# Altium PCB ETRX_Shield_II.PcbDoc (part 2 of 2)
Units mm, origin at the board's own origin, x right, y up, seen from the top; angles counter-clockwise.
Board outline 75 x 55 mm, 4 copper layers (Top Layer, GND, PWR, Bottom Layer), stack 1.54 mm thick; 131 components, 123 nets, 497 pads, 270 vias.
Unrouted connection lines stored in the file: 1.
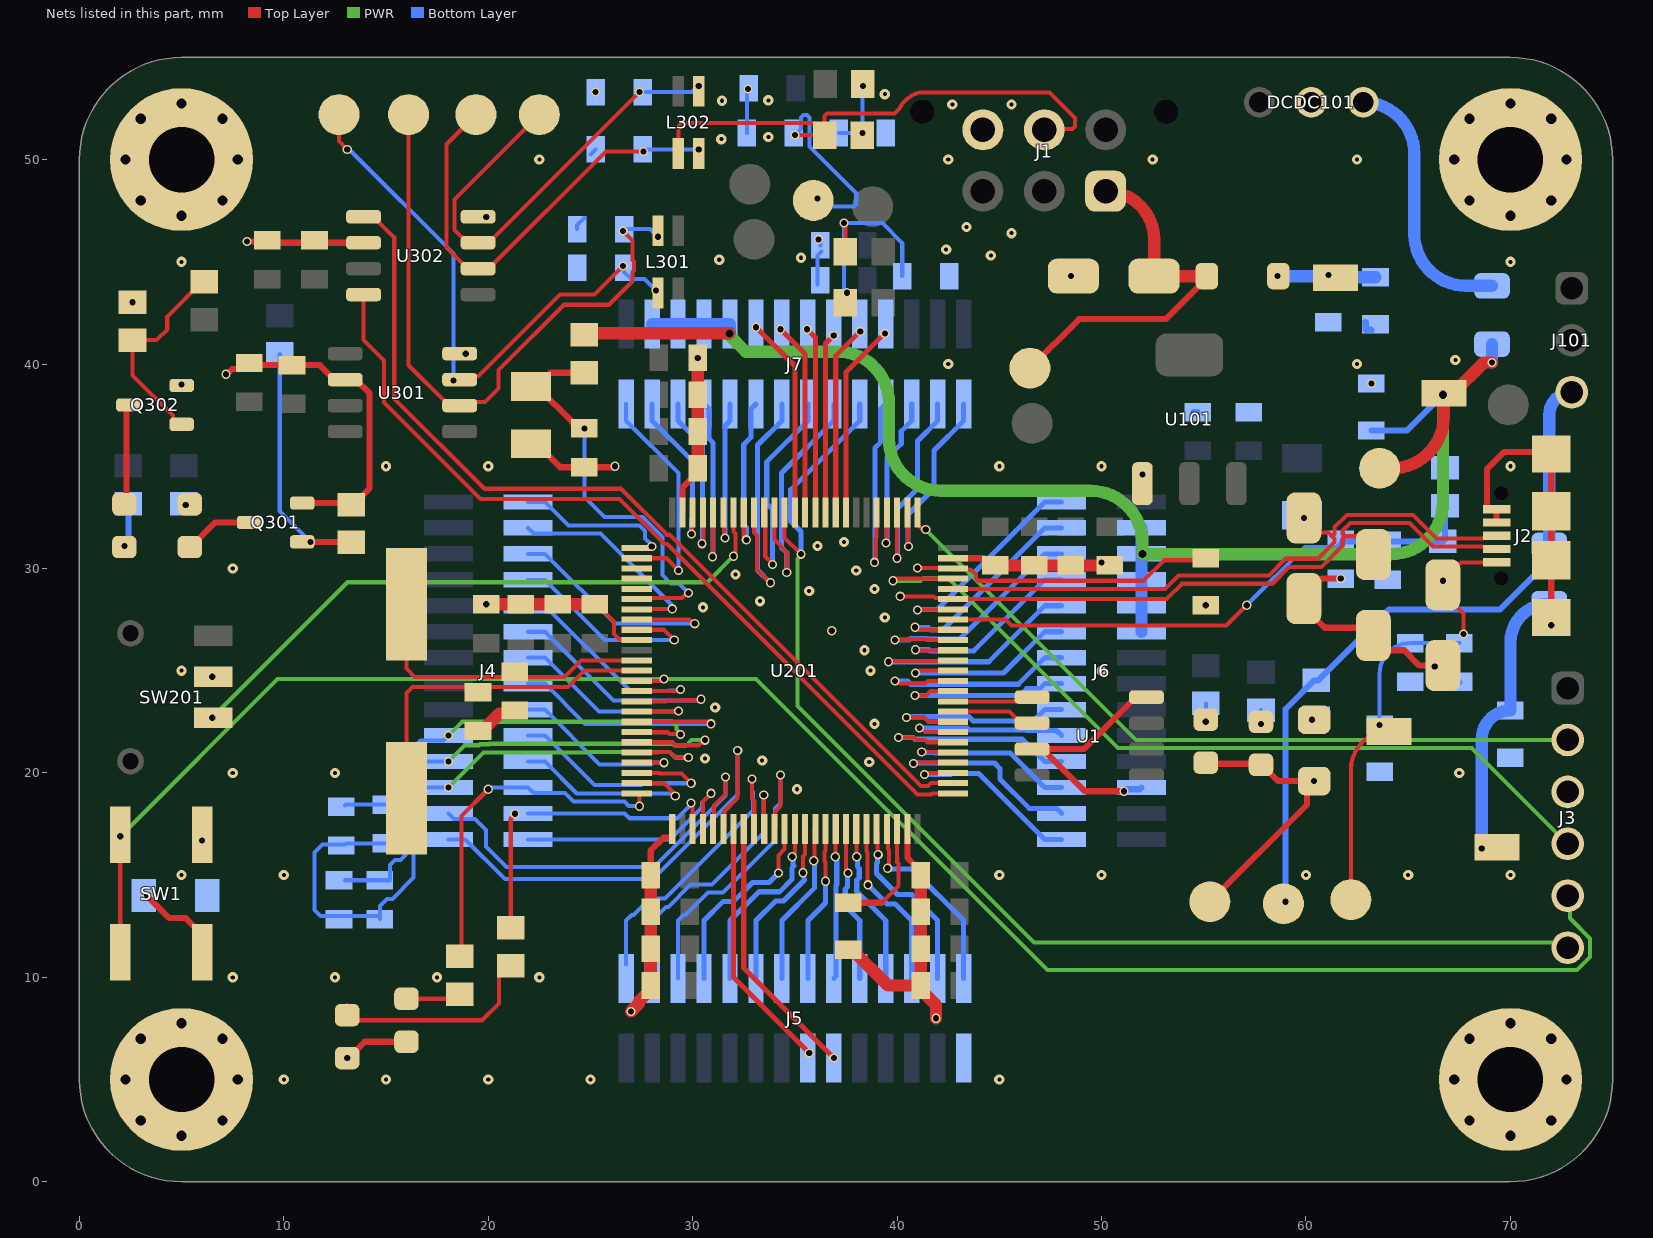
[diagram p4: the nets of this part, all layers, seen from the top]

## Via types
v1: diameter 0.45, hole 0.3, Top Layer to Bottom Layer, 167 vias
v2: diameter 0.5, hole 0.2, Top Layer to Bottom Layer, 66 vias
v3: diameter 0.5, hole 0.5, Top Layer to Bottom Layer, 32 vias
v4: diameter 0.4, hole 0.4, Top Layer to Bottom Layer, 4 vias
v5: diameter 0.3, hole 0.3, Top Layer to Bottom Layer, 1 vias

## Nets (pads, with @x,y where several pads share a name; then routed paths per layer and width w, separated by ;. In a path a pad name is that pad's centre, name@x,y a point inside that pad or via, vN(x,y) a via of type N, cw(c..) or ccw(c..) an arc to the next point about the centre after c; other vN are vias at no path point) (continued)
CAN2_L: C309.1 J1.5 L302.3 R304.2 TP308.1 | length 34.6
  Top Layer w0.2: L302.3@29.3,50.65 29.3,51.65 29.45,51.8 35.858,51.8 35.883,51.775 35.975,51.775 R304.2@36.45,51.3 ; v1(35,51.2) R304.2@36.45,51.2 R304.2@36.45,51.3 ; J1.5@47.4,51.5 48.583,51.5 48.7,51.617 48.7,52.038 47.449,53.289 41.085,53.289 ccw(c41.544,51.726) 40.392,52.878 ccw(c41.436,51.833) 40.113,52.489 39.874,52.25 36.567,52.25 36.45,52.133 R304.2@36.45,51.3
  Bottom Layer w0.2: v1(35,51.2) 35.3,51.5 35.3,52.062 35.417,52.179 35.595,52.179 35.712,52.062 35.712,50.648 38,48.36 38,47.817 37.882,47.7 36.5,47.7 v1(36.1,48.1)
CAN2_RX: U201.51 U302.4 | length 41.5
  Top Layer w0.2: U302.4@13.9,43.395 13.9,41.18 14.9,40.18 14.9,38.113 19.613,33.4 26.418,33.4 28.618,31.2 28.757,31.2 41.007,18.95 41.667,18.95 41.717,19 U201.51@42.738,19
CAN2_TX: U201.52 U302.1 | length 45.1
  Top Layer w0.2: U302.1@14.592,47.008 15.4,46.2 15.4,38.32 19.82,33.9 26.483,33.9 28.733,31.651 28.872,31.651 41.172,19.35 41.501,19.35 41.651,19.5 U201.52@42.738,19.5
  Top Layer w0.3: U302.1@13.9,47.205 14.418,47.205 14.592,47.031 U302.1@14.592,47.008
GND: C1.2 C2.1 C101.2 C102.2 C103.2 C104.2 C105.1 C106.2 C107.2 C108.2 C109.2 C201.2 C202.2 C203.1 C204.1 C205.2 C206.2 C207.2 C208.2 C209.2 C210.2 C211.2 C212.2 C213.2 C214.2 C215.2 C216.2 C217.2 C218.2 C219.2 C220.2 C221.2 C222.2 C223.2 C224.2 C231.2 C232.2 C301.2 C302.1 C303.2 C304.2 C305.1 C306.2 C307.1 C308.2 C309.2 C310.1 C311.2 C312.2 C313.2 C314.2 D101.1 D103.K D104.K D105.K D106.2 D201.2 D202.2 D205.K D206.K DCDC101.2 J1.6 J2.4 J2.5 J2.Shell J3.3 J5.28 J6.23 MH1.1 MH2.1 MH3.1 MH4.1 Q301.E Q302.E R2.2 R202.2 R307.2 R310.2 SW1.B2 SW201.L2 TP105.1 U1.4 U1.7 U101.1 U201.10 U201.26 U201.49 U201.74 U201.99 U301.2 U301.8 U302.2 U302.8 | length 140.3
  Top Layer w0.2: C224.2@25.2,28.25 25.4,28.25 25.75,27.9 25.75,27.793 26.15,27.393 26.15,26.8 26.4,26.55 27.212,26.55 U201.10@27.262,26.5
  Top Layer w0.3: Q302.E@5,38.95 v1(5,39) ; v1(6,16.7) SW1.B2@6,16.975 ; v1(6.5,24.7) SW201.L2@6.55,24.7 ; v1(7.175,39.5) 7.216,39.5 7.466,39.75 8.2,39.75 8.4,39.95 C314.2@10.4,39.95 11.76,39.95 12.475,39.235 U301.2@13,39.235 13.525,39.235 14.2,38.56 14.2,33.925 13.475,33.2 Q301.E@10.9,33.2 ; v1(8.2,46) 9.15,46 C312.2@9.2,46.05 9.315,45.935 U302.2@13.9,45.935 ; v1(13.1,6.05) 13.15,6.05 13.95,6.85 D206.K@16,6.85 ; U301.8@18.6,40.505 18.605,40.5 v1(18.9,40.5) ; U302.8@19.5,47.205 19.895,47.205 v1(19.9,47.2) ; R2.2@22.1,36.1 22.375,36.1 23.525,34.95 C1.2@24.7,34.95 26.15,34.95 v1(26.2,35) ; C211.2@27.95,15 27.95,16.212 28.576,16.838 29,16.838 U201.26@29,17.262 ; U201.99@29.5,32.738 29.5,33.95 30.25,34.7 C216.2@30.25,34.9 ; U201.49@40.5,17.262 40.5,16.087 40.505,16.082 40.505,15.845 41.15,15.2 C206.2@41.15,15 ; U201.74@42.738,30.5 44.25,30.5 44.6,30.15 C205.2@44.8,30.15 ; U1.7@46.6,21.165 U1.7@47.125,21.165 ; v1(48.5,44.3) D101.1@48.625,44.3 ; v1(51.1,19.1) 49.19,19.1 U1.7@47.125,21.165 ; U101.1@52,34.15 v1(52,34.6) ; U1.4@52.2,23.705 51.675,23.705 49.7,21.73 49.135,21.165 U1.7@47.125,21.165 ; D103.K@55.1,20.5 55.15,20.45 57.8,20.45 58.65,19.6 v1(60.4,19.6) 60.05,19.25 60.05,18.45 TP105.1@55.3,13.7 ; v1(61.7,29.5) 60.776,29.5 60.731,29.455 60.579,29.455 59.9,28.776 D201.2@59.9,28.525 59.9,28.125 60.925,27.1 62.925,27.1 D202.2@63.3,26.725 63.3,26.474 63.774,26 64.8,26 65.55,25.25 D106.2@66.3,25.25 ; J2.4@69.325,32.25 J2.5@69.325,32.9 68.9,32.9 68.85,32.95 68.85,34.85 69.7,35.7 71.9,35.7 J2.Shell@72,35.6 J2.Shell@72,32.8 J2.Shell@72,30.4 v1(72,27.225)
  Top Layer w0.6: C204.1@19.5,22.05 C204.1@19.65,22.05 ; C204.1@19.8,21.9 C204.1@19.65,22.05 ; v1(19.9,28.25) C210.2@21.6,28.25 C220.2@23.4,28.25 C224.2@25.2,28.25 ; C203.1@21.3,23.05 21.15,22.9 20.55,22.9 19.7,22.05 C204.1@19.65,22.05 ; v1(26.983,8.325) 27.38,8.722 27.38,8.83 27.95,9.4 C213.2@27.95,11.4 C212.2@27.95,13.2 C211.2@27.95,15 ; C216.2@30.25,34.9 C217.2@30.25,36.7 C218.2@30.25,38.5 v1(30.25,40.3) ; C202.2@37.6,11.35 37.8,11.35 39.55,9.6 C209.2@41.15,9.6 ; C206.2@41.15,15 C207.2@41.15,13.2 C208.2@41.15,11.4 C209.2@41.15,9.6 ; v1(41.9,8) 41.9,8.65 41.15,9.4 C209.2@41.15,9.6 ; C205.2@44.8,30.15 C222.2@46.7,30.15 C223.2@50,30.15 ; v1(50,30.3) 50.25,30.3 C223.2@50.4,30.15
  Bottom Layer w0.2: C302.1@24.35,46.6 24.35,46.8 C302.1@24.7,47.15 ; C307.1@25,50.25 C307.1@25.25,50.5 ; C309.2@32.65,51.3 32.65,53.4 v1(32.7,53.45) C308.2@32.75,53.5 ; C303.2@36.1,43.9 36.1,45.3 C304.2@36.3,45.5 ; v1(36.15,46.1) 36.25,46 C304.2@36.25,45.8
  Bottom Layer w0.3: J1.6@44.044,51.3 J1.6@44.2,51.456 ; v1(51.1,19.1) 51.2,19.2 51.865,19.2 J6.23@51.95,19.285 ; C105.1@54.5,37.65 C105.1@54.7,37.65 ; v1(61.7,29.5) C232.2@61.75,29.45 ; C102.2@62.9,42.05 62.925,42.025 62.925,41.675 63.175,41.675 C102.2@63.2,41.65 ; C107.2@67.3,24.45 C107.2@67.5,24.45
  other v1: 66.3,25.2 36.8,26.95 55.1,28.2 63.2,39.05 2.6,43.025 25.25,53.3
  other v2: 10,5 15,5 20,5 25,5 45,5 7.5,10 12.5,10 17.5,10 22.5,10 5,15 10,15 45,15 50,15 60,15 65,15 70,15 35.1,19.2 7.5,20 12.5,20 67.5,20 38.639,20.539 33.4,20.6 30.6,20.7 38.9,22.4 31.1,23.2 5,25 38.7,25 50,25 38.4,26 39.4,27.6 30.5,28.1 33.3,28.4 35.7,28.9 38.9,29 32.1,29.7 38,29.9 7.5,30 36.1,31.1 37.4,31.3 15,35 20,35 45,35 50,35 70,35 42.5,40 62.5,40 67.307,40.193 5,45 70,45 31.3,45.1 35.3,45.2 44.584,45.312 42.4,45.6 45.6,46.4 43.4,46.7 22.5,50 42.5,50 52.5,50 62.5,50 31.4,51 33.7,51.1 42.7,52.7 45.6,52.7 31.434,52.878 33.7,52.9 39.4,53.2
  other v3: 5,2.25 70,2.25 3,3 7,3 68,3 72,3 2.25,5 7.75,5 67.25,5 72.75,5 3,7 7,7 68,7 72,7 5,7.75 70,7.75 5,47.25 70,47.25 3,48 7,48 68,48 72,48 2.25,50 7.75,50 67.25,50 72.75,50 3,52 7,52 68,52 72,52 5,52.75 70,52.75
LED_PA3: J4.6 R208.2 U201.25 | length 17.5
  Top Layer w0.2: R208.2@18.7,10.825 18.7,17.9 v1(20,19.2) ; U201.25@27.262,19 27.348,19 27.398,18.95 v1(27.398,18.369)
  Bottom Layer w0.2: v1(20,19.2) 20.027,19.2 20.112,19.285 J4.6@21.95,19.285 22.225,19.01 23.754,19.01 24.164,18.601 26.656,18.601 26.873,18.384 27.384,18.384 v1(27.398,18.369)
LED_PA4: J4.4 R207.2 U201.28 | length 15.4
  Top Layer w0.2: R207.2@21.1,12.425 21.1,17.773 21.3,17.973 v1(21.3,18) ; v1(29.922,18.528) 29.922,18.46 30,18.382 U201.28@30,17.262
  Bottom Layer w0.2: J4.4@21.95,18.015 26.676,18.015 26.91,17.781 29.254,17.781 29.629,18.156 29.629,18.168 29.922,18.46 v1(29.922,18.528)
"LV tr": C103.1 F101.1 J6.3 J6.5 J6.7 J6.9 J6.11 J7.3 J7.5 J7.7 J7.9 L101.2 R1.1 TP102.1 | length 78.9
  Top Layer w0.6: R1.1@24.7,41.425 24.775,41.5 v4(31.8,41.5) ; TP102.1@63.6,34.9 64.203,34.9 ccw(c64.203,37.44) 66.743,37.44 L101.2@66.743,38.5 ; L101.2@66.743,38.568 67.193,38.568 68.702,40.077 v1(69.1,40.077)
  PWR w0.6: v4(31.8,41.5) 31.8,41.4 32.6,40.6 37.1,40.6 cw(c37.1,38.1) 39.6,38.1 39.6,36.34 ccw(c42.14,36.34) 42.14,33.8 49.46,33.8 cw(c49.46,31.26) 52,31.26 v4(52,30.7) 64.16,30.7 ccw(c64.16,33.24) 66.7,33.24 v4(66.7,38.5)
  Bottom Layer w0.3: C103.1@63.2,36.75 64.95,36.75 v4(66.7,38.5)
  Bottom Layer w0.6: J7.3@28.015,41.95 J7.5@29.285,41.95 J7.9@31.825,41.95 31.825,41.525 v4(31.8,41.5) ; J6.11@51.95,26.905 J6.9@51.95,28.175 J6.7@51.95,29.445 J6.5@51.95,30.715 J6.3@51.95,31.985 ; v1(69.1,40.077) F101.1@69.1,40.975
"LV+ in": D101.2 D102.A J1.1 TP101.1 | length 18.7
  Top Layer w0.3: TP101.1@46.5,39.8 48.9,42.2 53.15,42.2 55.15,44.2 D102.A@55.15,44.3
  Top Layer w0.6: J1.1@50.2,48.456 cw(c50.2,46.08) 52.575,46.08 D101.2@52.575,44.3 D102.A@55.15,44.3
NetC2_2: C2.2 SW1.B1 | length 4.4
  Top Layer w0.3: v1(3.3,14) 4.4,12.9 5.2,12.9 6,12.1 SW1.B1@6,11.225
NetC101_1: C101.1 C102.1 D102.K L101.1 | length 5.3
  Top Layer w0.6: L101.1@61.375,44.3 cw(c61.375,44.225) L101.1@61.45,44.225 L101.1@61.675,44
  Bottom Layer w0.6: v1(58.6,44.3) 61.05,44.3 ccw(c61.05,44.35) v1(61.1,44.35) ccw(c61.2,44.35) 61.2,44.25 C102.1@63.4,44.25
NetC109_1: C109.1 F102.1 L102.2 | length 13.9
  Bottom Layer w0.6: v1(68.6,16.3) 68.6,21.65 cw(c70,21.65) C109.1@70,23.05 70,26.375 cw(c71.9,26.375) F102.1@71.9,28.275
NetC201_1: C201.1 U201.73 | length 14.9
  Top Layer w0.2: v1(41,30.025) 41.012,30.013 42.726,30.013 42.788,29.95 43.6,29.95 43.85,29.7 43.85,29.517 43.967,29.4 52.058,29.4 53.058,30.4 55,30.4 C201.1@55.1,30.5
NetC202_1: C202.1 U201.48 | length 5.6
  Top Layer w0.2: 39.25,13.65 40.064,14.464 40.064,15.553 40.005,15.612 40.005,15.875 ; 40.003,15.877 U201.48@40.003,17.26
  Top Layer w0.25: U201.48@40,17.262 U201.48@40.003,17.26
  Top Layer w0.3: C202.1@37.6,13.65 39.25,13.65
NetC301_1: C301.1 L301.1 TP301.1 U301.7 | length 27.8
  Top Layer w0.2: TP301.1@12.7,52.2 12.7,50.9 v1(13.1,50.5) ; U301.7@18.6,39.235 18.785,39.42 19.52,39.42 23.5,43.4 25.2,43.4 v1(26.6,44.8)
  Bottom Layer w0.2: v1(13.1,50.5) 13.119,50.481 13.219,50.481 18.3,45.4 v1(18.3,39.2) ; C301.1@26.65,44.7 26.65,44.5 27,44.15 27.65,44.15 v1(28.2,43.6)
NetC302_2: C302.2 L301.2 TP303.1 U301.6 | length 31.7
  Top Layer w0.2: TP303.1@16.209,52.2 TP303.1@16.1,52.2 16.1,39.94 18.075,37.965 U301.6@18.6,37.965 18.77,38.135 19.835,38.135 20.5,38.8 20.5,39.7 23.7,42.9 25.9,42.9 27.05,44.05 27.05,44.508 27.125,44.583 27.125,45.017 27.05,45.092 27.05,46.05 v1(26.6,46.5)
  Bottom Layer w0.2: C302.2@26.65,46.6 27.925,46.6 v1(28.3,46.225)
NetC305_2: C305.2 R301.1 R302.1 | length 9.8
  Top Layer w0.2: v1(37.4,46.9) 37.4,46.873 37.475,46.798 R302.1@37.475,45.5
  Bottom Layer w0.2: v1(37.54,43.486) 37.54,43.554 37.4,43.694 v1(37.4,46.9) 39.28,46.9 40.25,45.93 C305.2@40.25,44.3
NetC306_1: C306.1 L302.1 TP305.1 U302.7 | length 22.6
  Top Layer w0.2: TP305.1@22.5,52.2 18.35,48.05 18.35,46.56 18.975,45.935 U302.7@19.5,45.935 20.03,45.935 27.395,53.3 v1(27.4,53.3)
  Bottom Layer w0.2: C306.1@27.55,53.3 29.973,53.3 30.273,53.6 v1(30.3,53.6)
NetC307_2: C307.2 L302.2 TP307.1 U302.6 | length 22.3
  Top Layer w0.2: TP307.1@19.4,52.2 17.95,50.75 17.95,45.69 18.975,44.665 U302.6@19.5,44.665 20.025,44.665 25.76,50.4 v1(27.6,50.4)
  Bottom Layer w0.2: C307.2@27.55,50.5 v1(30.3,50.5)
NetC310_2: C310.2 R303.1 R304.1 | length 3.5
  Bottom Layer w0.2: C310.2@37.15,51.3 v1(38.3,51.3) v1@38.3,53.6
  other v1: 38.325,53.6
NetD103_A: D103.A R101.2 | length 0.9
  Bottom Layer w0.2: v1(55.1,22.5) R101.2@55.1,23.4
NetD104_A: D104.A R102.2 | length 0.7
  Bottom Layer w0.2: v1(57.8,22.4) R102.2@57.8,23.075
NetD105_A: D105.A R103.1 | length 0.2
  Bottom Layer w0.2: v1(60.3,22.6) 60.425,22.6 ccw(c60.425,22.675) R103.1@60.5,22.675
NetD205_A: D205.A R207.1 | length 10.4
  Top Layer w0.2: D205.A@13.1,8.15 13.35,7.9 19.7,7.9 20.525,8.725 20.525,10.1 21,10.575 R207.1@21.1,10.575 ; D205.A@13.1,8.65 D205.A@13.357,8.393
NetD206_A: D206.A R208.1 | length 2.7
  Top Layer w0.2: D206.A@16,8.95 18.675,8.95 R208.1@18.7,8.975
NetD301_A: D301.A R305.2 | length 0.2
  Top Layer w0.3: v1(5.2,33.1) 5.35,33.1 D301.A@5.4,33.15
NetD301_K: D301.K Q301.C | length 3.4
  Top Layer w0.3: D301.K@5.4,31.05 5.45,31.05 6.65,32.25 Q301.C@8.3,32.25
NetD302_A: D302.A R308.2 | length 2.2
  Bottom Layer w0.3: v1(2.2,31.1) 2.4,31.3 R308.2@2.4,33.175
NetD302_K: D302.K Q302.C | length 4.9
  Top Layer w0.3: D302.K@2.2,33.15 2.3,33.25 2.3,37.9 Q302.C@2.4,38
NetDCDC101_1: DCDC101.1 F101.2 | length 13.1
  Bottom Layer w0.6: DCDC101.1@62.8,52.8 cw(c62.8,50.3) 65.3,50.3 65.3,46.365 ccw(c67.84,46.365) 67.84,43.825 F101.2@69.1,43.825
NetQ301_B: Q301.B R306.2 R307.1 | length 11.8
  Top Layer w0.3: v1(11.3,31.3) 13.275,31.3 R307.1@13.3,31.275
  Bottom Layer w0.2: R306.2@9.8,40.5 9.8,32.8 v1(11.3,31.3)
NetQ302_B: Q302.B R309.2 R310.1 | length 10.3
  Top Layer w0.2: Q302.B@5,37.05 4.793,37.05 4.573,37.27 4.573,37.477 2.6,39.45 R310.1@2.6,41.175 3.775,41.175 4.3,41.7 4.3,42.325 6,44.025 R309.2@6.1,44.025
NetSW201_COM: SW201.COM U201.94 | length 31
  Top Layer w0.2: v1(32,30.6) 32,30.668 32.1,30.768 32.1,31.706 32,31.806 U201.94@32,32.738
  Top Layer w0.25: v1(6.5,22.7) SW201.COM@6.55,22.7
  PWR w0.2: v1(6.5,22.7) 13.125,29.325 30.725,29.325 v1(32,30.6)
NRST: J3.5 SW1.A1 SW1.A2 U201.14 | length 91.8
  Top Layer w0.2: SW1.A1@2,11.225 v1(2,16.9) SW1.A2@2,16.975 ; U201.14@27.262,24.5 28.432,24.5 28.532,24.6 v1(28.6,24.6)
  PWR w0.2: v1(2,16.9) 9.7,24.6 v1(28.6,24.6) 29.9,24.6 33.1,24.6 47.35,10.35 73.256,10.35 73.9,10.994 73.9,11.906 72.916,12.89 72.916,13.874 J3.5@72.8,13.99
OSC_IN: C203.2 U201.12 XTAL201.2 | length 16.4
  Top Layer w0.2: XTAL201.2@16.9,27.35 XTAL201.2@16,28.25 16,25.1 16.4,24.7 21.05,24.7 C203.2@21.3,24.95 21.55,24.7 23.737,24.7 24.537,25.5 U201.12@27.262,25.5
OSC_OUT: C204.2 U201.13 XTAL201.1 | length 16.9
  Top Layer w0.2: XTAL201.1@16,18.75 16,23.9 16.3,24.2 19.5,24.2 23.9,24.2 24.7,25 U201.13@27.262,25
PA0: J4.12 U201.22 | length 9.1
  Top Layer w0.2: U201.22@27.262,20.5 v1(28.592,20.5)
  Bottom Layer w0.2: J4.12@21.95,23.095 22.775,23.095 25.453,20.417 27.967,20.417 28.05,20.5 v1(28.592,20.5)
PA1: J4.10 U201.23 | length 11.9
  Top Layer w0.2: U201.23@27.262,20 28.349,20 28.374,19.975 29.446,19.975 v1(29.926,19.495)
  Bottom Layer w0.2: J4.10@21.95,21.825 22.775,21.825 25.199,19.401 27.482,19.401 27.576,19.495 v1(29.926,19.495)
PA2: J4.8 U201.24 | length 10.1
  Top Layer w0.2: U201.24@27.262,19.5 28.59,19.5 29.147,18.943 v1(29.147,18.876)
  Bottom Layer w0.2: J4.8@21.95,20.555 22.775,20.555 24.329,19.001 28.954,19.001 29.079,18.876 v1(29.147,18.876)
PA5: J4.2 U201.29 | length 11.9
  Top Layer w0.2: U201.29@30.5,17.262 30.5,18.6 v1(30.9,19)
  Bottom Layer w0.2: J4.2@21.95,16.745 28.881,16.745 30.447,18.311 30.447,18.547 v1(30.9,19)
PA6: J4.3 U201.30 | length 20.2
  Top Layer w0.2: U201.30@31,17.262 31.05,17.312 31.05,18.408 31.6,18.958 v1(31.6,19.8)
  Bottom Layer w0.2: J4.3@18.05,18.015 18.325,17.74 19.36,17.74 19.9,17.2 19.9,16.4 20.9,15.4 28.102,15.4 31.6,18.898 v1(31.6,19.8)
PA7: J4.1 U201.31 | length 23
  Top Layer w0.2: U201.31@31.5,17.262 31.55,17.312 31.55,18.017 31.55,18.124 32.2,18.774 v1(32.2,21.1)
  Bottom Layer w0.2: J4.1@18.05,16.745 18.875,16.745 20.82,14.8 28.068,14.8 32.2,18.932 v1(32.2,21.1)
PA8: J6.4 U201.67 | length 11.2
  Top Layer w0.2: v1(40.88,27.125) 40.928,27.125 41.053,27 U201.67@42.738,27
  Bottom Layer w0.25: v1(40.88,27.125) 40.9,27.105 41.534,27.105 41.64,27 42.24,27 47.225,31.985 J6.4@48.05,31.985
PA10: J6.2 U201.69 | length 11
  Top Layer w0.2: v1(41,27.975) 41.012,27.987 42.726,27.987 U201.69@42.738,28
  Bottom Layer w0.25: v1(41,27.975) 41.025,28 41.97,28 47.225,33.255 J6.2@48.05,33.255
PA15: J7.28 U201.77 | length 9.8
  Top Layer w0.2: U201.77@40.5,32.738 40.53,32.708 40.53,31.109 v1(40.56,31.08)
  Bottom Layer w0.25: v1(40.56,31.08) 40.534,31.106 40.534,32.634 41.805,33.905 41.805,35.775 43.255,37.225 J7.28@43.255,38.05
PB0: J5.1 U201.34 | length 14.6
  Top Layer w0.2: v1(32.9,19.7) 32.9,18.756 33.01,18.646 33.01,17.272 U201.34@33,17.262
  Bottom Layer w0.2: J5.1@26.745,10.64 26.745,12.775 27.02,13.05 27.116,13.05 27.916,13.85 28.645,13.85 32.95,18.155 32.95,19.075 32.9,19.125 v1(32.9,19.7)
PB1: J5.3 U201.35 | length 13.6
  Top Layer w0.2: v1(33.475,18.923) 33.488,18.91 33.488,17.274 U201.35@33.5,17.262
  Bottom Layer w0.2: J5.3@28.015,9.95 28.015,12.775 28.69,13.45 28.811,13.45 29.902,14.541 30.941,14.541 33.528,17.128 33.528,17.941 33.475,17.994 v1(33.475,18.923)
PB2: J5.5 U201.36 | length 15.3
  Top Layer w0.2: U201.36@34,17.262 34.05,17.312 34.05,18.017 34.05,18.124 34.3,18.374 v1(34.3,19.9)
  Bottom Layer w0.2: J5.5@29.285,9.95 29.285,12.775 29.56,13.05 29.656,13.05 30.747,14.141 31.476,14.141 34.036,16.701 34.036,18.269 34.3,18.533 v1(34.3,19.9)
PB3: J3.6 J7.20 U201.89 | length 61.6
  Top Layer w0.2: U201.89@34.5,32.738 34.5,31.5 v1(35.3,30.7) ; J3.6@72.675,11.575 J3.6@72.8,11.45
  PWR w0.2: v1(35.3,30.7) 35.3,30.632 35.121,30.454 35.121,30.021 35.125,30.017 35.125,23.275 46.7,11.7 72.55,11.7 J3.6@72.8,11.45
  Bottom Layer w0.25: v1(35.3,30.7) 35.3,31.802 34.8,32.302 34.8,33.85 38.175,37.225 J7.20@38.175,38.05
PB4: J7.18 U201.90 | length 12.6
  Top Layer w0.2: U201.90@34,32.738 34,31.408 34.6,30.808 v1(34.6,29.8)
  Bottom Layer w0.25: v1(34.6,29.8) 34.6,30.772 34.35,31.022 34.35,34.67 36.905,37.225 J7.18@36.905,38.05
PB5: J7.16 U201.91 | length 11.8
  Top Layer w0.2: U201.91@33.5,33.069 33.55,33.019 33.55,30.592 33.9,30.242 v1(33.9,30.2)
  Bottom Layer w0.25: v1(33.9,30.2) 33.9,32.897 33.625,33.172 33.625,35.215 35.635,37.225 J7.16@35.635,38.05
PB6: J7.14 U201.92 | length 13.6
  Top Layer w0.2: U201.92@33,33.099 33,31.767 33.15,31.617 33.15,29.95 v1(33.8,29.3)
  Bottom Layer w0.25: v1(33.8,29.3) 33.175,29.925 33.175,36.035 34.365,37.225 J7.14@34.365,38.05
PB7: J7.12 U201.93 | length 8.6
  Top Layer w0.2: U201.93@32.513,32.995 32.5,32.983 32.5,31.593 32.625,31.468 v1(32.625,31.4)
  Bottom Layer w0.25: v1(32.625,31.4) 32.625,32 32.5,32.125 32.5,36.057 32.845,36.402 32.845,37.8 J7.12@33.095,38.05
PB8: J7.10 U201.95 | length 7.9
  Top Layer w0.2: U201.95@31.5,32.738 31.538,32.701 31.538,31.526 v1(31.575,31.489)
  Bottom Layer w0.25: v1(31.575,31.489) 31.575,36.975 31.825,37.225 J7.10@31.825,38.05
PB9: J7.8 U201.96 | length 10.2
  Top Layer w0.2: v1(30.971,30.571) 31,30.6 U201.96@31,33.102
  Bottom Layer w0.25: J7.8@30.555,38.05 30.805,37.8 30.805,36.341 31,36.146 31,30.6 v1(30.971,30.571)
PB10: J5.25 U201.46 | length 8.9
  Top Layer w0.2: U201.46@39,17.119 39.037,17.082 39.037,16.037 v1(39.074,16)
  Bottom Layer w0.25: v1(39.074,16) 39.036,15.962 39.036,15.611 38.99,15.565 38.99,15.477 38.989,15.475 38.989,15.076 40.019,14.046 40.714,14.046 41.985,12.775 J5.25@41.985,9.95
PB11: J5.27 U201.47 | length 9.6
  Top Layer w0.2: U201.47@39.499,17.26 39.55,17.209 39.55,16.266 39.599,16.217 39.599,15.464 39.539,15.404 v1(39.539,15.336)
  Top Layer w0.25: U201.47@39.499,17.26 U201.47@39.5,17.262
  Bottom Layer w0.25: v1(39.539,15.336) 39.573,15.302 40.728,15.302 43.255,12.775 J5.27@43.255,9.95
PB14: J6.28 U201.53 | length 9.3
  Top Layer w0.2: v1(41.337,19.928) 41.404,19.928 41.476,20 U201.53@42.578,20
  Bottom Layer w0.25: v1(41.337,19.928) 42.628,19.928 42.675,19.975 43.995,19.975 47.225,16.745 J6.28@48.05,16.745
PB15: J6.26 U201.54 | length 10.4
  Top Layer w0.2: v1(40.804,20.461) 40.842,20.5 U201.54@42.594,20.5
  Bottom Layer w0.25: v1(40.804,20.461) 40.82,20.478 44.762,20.478 45.025,20.215 45.025,19.703 46.463,18.265 47.8,18.265 J6.26@48.05,18.015
PC0: J4.20 U201.15 | length 11.4
  Top Layer w0.2: U201.15@27.262,24 29.257,24 29.332,24.075 v1(29.4,24.075)
  Bottom Layer w0.2: J4.20@21.95,28.175 22.775,28.175 26.95,24 28.842,24 28.875,24.033 29.358,24.033 v1(29.4,24.075)
PC1: J4.18 U201.16 | length 13
  Top Layer w0.2: U201.16@27.262,23.5 28.683,23.5 28.733,23.55 29.517,23.55 29.52,23.552 30.352,23.552 v1(30.4,23.6)
  Bottom Layer w0.2: J4.18@21.95,26.905 22.775,26.905 26.13,23.55 29.517,23.55 29.52,23.552 30.352,23.552 v1(30.4,23.6)
PC2: J4.16 U201.17 | length 10.5
  Top Layer w0.2: U201.17@27.262,23 27.275,23.013 29.288,23.013 v1(29.3,23.025)
  Bottom Layer w0.2: J4.16@21.95,25.635 22.775,25.635 25.41,23 29.275,23 v1(29.3,23.025)
PC3: J4.14 U201.18 | length 13.4
  Top Layer w0.2: U201.18@27.262,22.5 30.732,22.5 30.832,22.4 v1(30.9,22.4)
  Bottom Layer w0.2: J4.14@21.95,24.365 22.775,24.365 24.74,22.4 v1(30.9,22.4)
PC4: J5.16 U201.32 | length 12.5
  Top Layer w0.25: U201.32@32,17.262 32,10 v1(35.7,6.3)
PC5: J5.18 U201.33 | length 13
  Top Layer w0.25: U201.33@32.5,17.262 32.5,10.455 v1(36.905,6.05)
PC6: J6.12 U201.63 | length 9.8
  Top Layer w0.2: v1(40.894,24.888) 40.962,24.888 41.074,25 42.564,25 U201.63@42.611,25.047
  Bottom Layer w0.25: v1(40.894,24.888) 45.208,24.888 47.225,26.905 J6.12@48.05,26.905
PC7: J6.10 U201.64 | length 12.8
  Top Layer w0.2: v1(39.573,25.438) 39.604,25.469 42.707,25.469 U201.64@42.738,25.5
  Bottom Layer w0.25: v1(39.573,25.438) 44.488,25.438 47.225,28.175 J6.10@48.05,28.175
PC8: J6.8 U201.65 | length 10.5
  Top Layer w0.2: v1(40.894,26.025) 40.931,25.988 42.726,25.988 U201.65@42.738,26
  Bottom Layer w0.25: v1(40.894,26.025) 41.566,26.025 41.619,25.972 43.752,25.972 47.225,29.445 J6.8@48.05,29.445
PC9: J6.6 U201.66 | length 12.7
  Top Layer w0.2: v1(39.9,26.5) 40.627,26.5 40.677,26.55 41.364,26.55 41.414,26.5 U201.66@42.69,26.5
  Bottom Layer w0.25: v1(39.9,26.5) 40.591,26.5 40.666,26.575 41.428,26.575 41.453,26.55 43.06,26.55 47.225,30.715 J6.6@48.05,30.715
PC10: J7.26 U201.78 | length 10.6
  Top Layer w0.2: v1(40,30.5) 40,32.733 U201.78@40.003,32.736
  Top Layer w0.25: U201.78@40,32.738 U201.78@40.003,32.736
  Bottom Layer w0.25: v1(40,30.5) 40.01,30.51 40.01,32.91 41,33.9 41,36.24 41.985,37.225 J7.26@41.985,38.05
PC11: J7.24 U201.79 | length 9
  Top Layer w0.2: v1(39.46,31.242) 39.48,31.262 39.48,32.876 U201.79@39.491,32.887
  Bottom Layer w0.25: v1(39.46,31.242) 39.497,31.279 39.497,35.397 40.2,36.1 40.2,36.71 40.715,37.225 J7.24@40.715,38.05
PC12: J7.22 U201.80 | length 10.6
  Top Layer w0.2: v1(38.9,30.3) 38.935,30.335 38.935,31.459 39,31.525 U201.80@39,32.849
  Bottom Layer w0.25: v1(38.9,30.3) 38.91,30.31 38.91,35.894 39.195,36.179 39.195,37.8 J7.22@39.445,38.05
PC13: J4.26 U201.7 | length 10.5
  Top Layer w0.2: U201.7@27.262,28 27.274,28.012 28.987,28.012 v1(29,28.025)
  Bottom Layer w0.2: J4.26@21.95,31.985 22.225,31.71 25.49,31.71 28.781,28.419 28.952,28.248 28.952,28.073 v1(29,28.025)
PC14: J4.24 U201.8 | length 12.5
  Top Layer w0.2: U201.8@27.262,27.5 29.832,27.5 30.032,27.3 v1(30.1,27.3)
  Bottom Layer w0.2: J4.24@21.95,30.715 22.775,30.715 26.19,27.3 v1(30.1,27.3)
PC15: J4.22 U201.9 | length 10.4
  Top Layer w0.2: U201.9@27.262,27 28.6,27 v1(29.1,26.5)
  Bottom Layer w0.2: J4.22@21.95,29.445 22.775,29.445 25.72,26.5 v1(29.1,26.5)
PD2: J7.21 U201.83 | length 9.5
  Top Layer w0.25: U201.83@37.5,32.738 37.5,39.6 v1(39.4,41.5)
PD3: J7.19 U201.84 | length 9.4
  Top Layer w0.25: U201.84@37,32.738 37,40.4 v1(38.2,41.6)
PD4: J7.17 U201.85 | length 8.8
  Top Layer w0.25: U201.85@36.5,32.738 36.5,41 v1(36.9,41.4)
PD5: J7.15 U201.86 | length 9.1
  Top Layer w0.25: v1(35.6,41.7) 36,41.3 U201.86@36,32.738
PD6: J7.13 U201.87 | length 9.5
  Top Layer w0.25: v1(34.3,41.7) 35.5,40.5 U201.87@35.5,32.738
PD7: J7.11 U201.88 | length 9.8
  Top Layer w0.25: v1(33.1,41.8) 35,39.9 U201.88@35,32.738
PD8: J6.24 U201.55 | length 9
  Top Layer w0.2: v1(41.203,21.028) 41.217,21.014 42.58,21.014 U201.55@42.594,21
  Bottom Layer w0.25: v1(41.203,21.028) 41.231,21 41.827,21 41.85,20.977 45.533,20.977 47.225,19.285 J6.24@48.05,19.285
PD9: J6.22 U201.56 | length 11.1
  Top Layer w0.2: v1(40.066,21.732) 40.823,21.732 40.955,21.6 41.373,21.6 41.473,21.5 U201.56@42.61,21.5
  Bottom Layer w0.25: v1(40.066,21.732) 40.788,21.732 40.872,21.648 46.132,21.648 47.225,20.555 J6.22@48.05,20.555
PD10: J6.20 U201.57 | length 8.7
  Top Layer w0.2: v1(41.1,22.198) 41.168,22.198 41.365,22 42.61,22 U201.57@42.611,21.999
  Bottom Layer w0.25: v1(41.1,22.198) 43.428,22.198 43.528,22.098 46.319,22.098 46.341,22.075 47.8,22.075 J6.20@48.05,21.825
PD11: J6.18 U201.58 | length 10.1
  Top Layer w0.2: v1(40.458,22.716) 40.465,22.723 41.317,22.723 41.54,22.5 U201.58@42.596,22.5
  Bottom Layer w0.25: v1(40.458,22.716) 40.49,22.748 43.514,22.748 43.714,22.548 46.678,22.548 47.225,23.095 J6.18@48.05,23.095
PD12: U1.6 U201.59 | length 4.1
  Top Layer w0.2: U201.59@42.738,23 45.5,23 45.93,22.57 46.465,22.57 U1.6@46.6,22.435
PD13: U1.5 U201.60 | length 3.9
  Top Layer w0.2: U201.60@42.738,23.5 45.836,23.5 46.041,23.705 U1.5@46.6,23.705
PD14: J6.16 U201.61 | length 9.3
  Top Layer w0.2: v1(40.88,23.788) 41.418,23.788 41.63,24 U201.61@42.707,24
  Bottom Layer w0.25: v1(40.88,23.788) 40.883,23.791 46.018,23.791 46.341,24.115 46.975,24.115 47.225,24.365 J6.16@48.05,24.365
PD15: J6.14 U201.62 | length 11.5
  Top Layer w0.2: v1(39.9,24.5) 39.968,24.5 40.105,24.363 41.363,24.363 41.5,24.5 U201.62@42.564,24.5
  Bottom Layer w0.25: v1(39.9,24.5) 40.504,24.5 40.666,24.338 45.928,24.338 47.225,25.635 J6.14@48.05,25.635
PE0: J7.6 U201.97 | length 9.3
  Top Layer w0.2: v1(30.45,31.213) 30.45,31.28 30.525,31.355 U201.97@30.525,33.089
  Bottom Layer w0.25: J7.6@29.285,38.05 29.285,37.225 30.488,36.022 30.488,31.251 v1(30.45,31.213)
PE1: J7.4 U201.98 | length 8.3
  Top Layer w0.2: v1(29.938,31.688) 29.969,31.719 29.969,32.707 U201.98@30,32.738
  Bottom Layer w0.25: J7.4@28.015,38.05 28.015,37.225 30,35.24 30,32.413 29.938,32.351 v1(29.938,31.688)
PE2: J4.28 U201.1 | length 8
  Top Layer w0.2: U201.1@27.262,31 27.289,31.027 27.885,31.027 27.933,31.075 v1(28,31.075)
  Bottom Layer w0.2: J4.28@21.95,33.255 22.775,33.255 23.92,32.11 27.39,32.11 27.67,31.83 27.67,31.473 28,31.143 v1(28,31.075)
PE3: J7.2 U201.2 | length 11.5
  Top Layer w0.2: U201.2@27.262,30.5 28.714,30.5 v1(29.307,29.907)
  Bottom Layer w0.2: J7.2@26.745,38.05 26.745,37.225 29.307,34.663 v1(29.307,29.907)
PE4: U201.3
PE5: U201.4
PE6: U201.5
PE7: J5.7 U201.37 | length 9.7
  Top Layer w0.2: v1(34.2,15.1) 34.2,15.968 34.498,16.266 34.498,17.26 U201.37@34.5,17.262
  Bottom Layer w0.25: J5.7@30.555,9.95 30.555,12.775 31.496,13.716 32.004,13.716 32.926,14.638 33.738,14.638 v1(34.2,15.1)
PE8: J5.9 U201.38 | length 9.3
  Top Layer w0.2: v1(34.874,15.9) 34.874,15.968 35,16.094 U201.38@35,17.262
  Bottom Layer w0.25: J5.9@31.825,9.95 31.825,12.775 33.238,14.188 34.255,14.188 34.85,14.783 34.85,15.34 34.962,15.452 34.912,15.502 34.912,15.862 v1(34.874,15.9)
PE9: J5.11 U201.39 | length 8.6
  Top Layer w0.2: v1(35.4,15.112) v1(35.4,15.112) 35.399,15.917 35.5,16.018 U201.39@35.5,17.262
  Bottom Layer w0.25: J5.11@33.095,9.95 33.095,12.775 34.058,13.738 34.442,13.738 35.465,14.762 35.438,14.789 35.438,15.074 v1(35.4,15.112)
PE10: J5.13 U201.40 | length 8
  Top Layer w0.2: v1(35.924,15.7) 35.962,15.738 35.962,17.224 U201.40@36,17.262
  Bottom Layer w0.25: J5.13@34.365,9.95 34.365,12.775 35.95,14.36 35.95,15.674 v1(35.924,15.7)
PE11: J5.15 U201.41 | length 7.7
  Top Layer w0.2: v1(36.5,14.7) 36.5,15.632 36.449,15.683 36.449,16.133 36.491,16.175 36.491,17.253 U201.41@36.5,17.262
  Bottom Layer w0.25: J5.15@35.635,9.95 35.635,12.775 36.5,13.64 v1(36.5,14.7)
PE12: J5.17 U201.42 | length 7.4
  Top Layer w0.2: v1(36.974,15.9) 36.987,15.913 36.987,17.249 U201.42@37,17.262
  Bottom Layer w0.25: J5.17@36.905,9.95 37.015,10.06 37.015,14.505 37.05,14.54 37.05,15.77 36.974,15.846 v1(36.974,15.9)
PE13: J5.19 U201.43 | length 7.7
  Top Layer w0.2: U201.43@37.5,17.262 37.499,17.261 37.499,15.269 37.6,15.168 v1(37.6,15.1)
  Bottom Layer w0.25: v1(37.6,15.1) 37.576,15.076 37.576,14.429 37.465,14.318 37.465,13.485 38.175,12.775 J5.19@38.175,9.95
PE14: J5.21 U201.44 | length 8
  Top Layer w0.2: U201.44@38,17.262 38.012,17.25 38.012,15.912 v1(38.024,15.9)
  Bottom Layer w0.25: v1(38.024,15.9) 38.062,15.862 38.062,15.416 38.15,15.328 38.15,14.872 38.026,14.748 38.026,14.194 39.445,12.775 J5.21@39.445,9.95
PE15: J5.23 U201.45 | length 8.3
  Top Layer w0.2: U201.45@38.5,17.116 38.5,16.166 38.549,16.117 38.549,14.551 v1(38.576,14.524)
  Bottom Layer w0.25: v1(38.576,14.524) 39.504,13.596 39.894,13.596 40.715,12.775 J5.23@40.715,9.95
SYS_JTMS-SWCLK: J3.2 U201.76 | length 36.8
  Top Layer w0.2: U201.76@41,32.738 41,32.15 41.231,31.919 41.381,31.919 v1(41.4,31.9)
  PWR w0.2: v1(41.4,31.9) 51.69,21.61 J3.2@72.8,21.61
SYS_JTMS-SWDIO: J3.4 U201.72 | length 41.4
  Top Layer w0.2: v1(39.8,29.4) 39.868,29.4 39.968,29.5 U201.72@42.738,29.5
  PWR w0.2: v1(39.8,29.4) 41.146,29.4 41.246,29.5 42.524,29.5 50.814,21.21 68.12,21.21 68.179,21.151 J3.4@72.8,16.53
USB_5V: F102.2 J101.3 R103.2 TP107.1 | length 34.2
  Bottom Layer w0.3: v1(59,13.7) 59,23.125 60.4,24.525 R103.2@60.5,24.525 60.6,24.525 64.075,28 69.5,28 71.726,30.226 71.726,30.951 F102.2@71.9,31.125
  Bottom Layer w0.6: F102.2@71.9,31.125 71.9,37.52 cw(c73,37.52) J101.3@73,38.62
USB_OTG_H: D201.1 J2.3 R203.1 U201.71 | length 30.9
  Top Layer w0.2: U201.71@42.738,29 53.11,29 53.76,29.65 58.184,29.65 59.009,30.475 60.583,30.475 61.4,31.292 61.4,31.458 61.283,31.575 ; v1(59.9,32.475) 60.625,31.75 61.108,31.75 61.283,31.575 ; J2.3@69.325,31.6 69.225,31.5 68.658,31.5 68.633,31.475 66.387,31.475 65.237,32.625 62.001,32.625 61.4,32.024 61.4,31.692 61.283,31.575
USB_OTG_L: D202.1 J2.2 U201.70 | length 33.7
  Top Layer w0.2: v1(40.152,28.637) 41.79,28.637 41.876,28.55 42.688,28.55 U201.70@42.738,28.5 53.176,28.5 53.926,29.25 58.35,29.25 59.175,30.075 60.749,30.075 61.8,31.126 61.8,31.458 61.917,31.575 ; D202.1@63.3,30.675 63.3,30.85 62.575,31.575 61.917,31.575 ; J2.2@69.325,30.95 69.225,31.05 68.658,31.05 68.633,31.075 66.221,31.075 65.071,32.225 62.167,32.225 61.8,31.858 61.8,31.692 61.917,31.575
USB_OTG_VBUS: C231.1 C232.1 R201.2 R202.1 U201.68 | length 27.6
  Top Layer w0.2: U201.68@42.738,27.5 45.3,27.5 45.6,27.2 56.1,27.2 v1(57.1,28.2)
  Bottom Layer w0.2: v1(57.1,28.2) 59.95,31.05 61.5,31.05 C232.1@61.775,31.325
  Bottom Layer w0.3: C232.1@61.775,31.325 R201.2@66.7,31.325 66.8,31.425 R202.1@66.8,33.075
USB_VBUS: C106.1 C107.1 C108.1 D106.1 J2.1 L102.1 R201.1 TP106.1 | length 22.6
  Top Layer w0.2: TP106.1@62.2,13.8 62.2,20.175 cw(c64.05,20.175) L102.1@64.05,22.025 ; v1(67.7,26.8) 67.7,27.8 66.7,28.8 v1(66.7,29.4) 66.7,29.424 67.576,30.3 J2.1@69.325,30.3
  Bottom Layer w0.2: v1(63.6,22.35) 63.6,24.85 cw(c65.1,24.85) C106.1@65.1,26.35 C107.1@67.5,26.35 ; v1(66.7,29.4) R201.1@66.7,29.475
VBAT: C1.1 R1.2 R2.1 U201.6 | length 20.2
  Top Layer w0.2: U201.6@27.262,28.5 27.312,28.55 29.482,28.55 29.732,28.8 v1(29.8,28.8)
  Top Layer w0.3: R2.1@22.1,38.9 R2.1@22.375,38.9 ; v1(24.7,36.85) 24.4,37.15 24.125,37.15 R2.1@22.375,38.9 ; R1.2@24.7,39.575 23.05,39.575 R2.1@22.375,38.9
  Bottom Layer w0.2: v1(24.7,36.85) 24.7,33.5 25.69,32.51 27.556,32.51 28.525,31.54 28.525,29.675 28.926,29.274 29.326,29.274 v1(29.8,28.8)
VDDA: C225.2 C226.2 C227.2 C228.2 J4.5 U201.21 | length 34.2
  Top Layer w0.2: U201.21@27.262,21 28.349,21 28.374,21.025 28.871,21.025 29.148,20.748 v1(29.787,20.748)
  PWR w0.2: v1(18.05,19.285) 19.765,21 24.752,21 24.777,21.025 28.871,21.025 29.148,20.748 v1(29.787,20.748)
  Bottom Layer w0.2: C227.2@14.7,12.85 C227.2@14.7,13 ; C225.2@15.3,16.55 13.05,16.55 13,16.5 11.9,16.5 11.5,16.1 11.5,13.3 11.8,13 C227.2@14.7,13 ; v1(18.05,19.285) 16.585,19.285 16.35,19.05 16.35,14.876 15.312,13.838 15.038,13.838 14.7,13.5 C227.2@14.7,13
VREFA: C227.1 C228.1 J4.7 U201.20 | length 26.8
  Top Layer w0.2: U201.20@27.262,21.5 29.016,21.5 29.166,21.35 30.282,21.35 30.532,21.6 v1(30.6,21.6)
  PWR w0.2: v1(18.05,20.555) 18.845,21.35 19.549,21.35 19.599,21.4 20.042,21.4 20.067,21.425 29.037,21.425 29.112,21.35 29.697,21.35 29.947,21.6 v1(30.6,21.6)
  Bottom Layer w0.2: C228.1@13,14.75 15.2,14.75 15.2,15.5 15.438,15.738 15.712,15.738 15.95,15.976 15.95,19.95 16.555,20.555 v1(18.05,20.555)
VSSA: C225.1 C226.1 J4.9 U201.19 | length 21.7
  Top Layer w0.2: U201.19@27.262,22 27.274,21.988 28.775,21.988 28.862,21.9 29.375,21.9 v1(29.4,21.875)
  PWR w0.2: v1(18.05,21.825) 18.725,22.5 29,22.5 29.211,22.289 29.211,22.132 29.4,21.943 v1(29.4,21.875)
  Bottom Layer w0.2: C226.1@13,18.4 13.05,18.45 15.3,18.45 15.3,20.2 16.688,21.588 17.813,21.588 v1(18.05,21.825)
pads on no net: J1.7 J2.MH1 J2.MH2 J4.11 J4.13 J4.15 J4.17 J4.19 J4.21 J4.23 J4.25 J4.27 J5.4 J5.6 J5.8 J5.10 J5.12 J5.14 J5.20 J5.22 J5.24 J5.26 J6.13 J6.15 J6.17 J6.19 J6.21 J6.25 J6.27 SW201.MH1 SW201.MH2 U1.1 U1.2 U1.3 U301.5 U302.5

## Polygon pours and split planes (outlines as drawn)
GND on GND "GND-GND" (solid, pour order 1): 5,0 cw(c5,5) 0,5 0,50 cw(c5,50) 5,55 70,55 cw(c70,50) 75,50 75,5 cw(c70,5) 70,0
+3.3 on PWR "PWR-+3.3" (solid, pour order 5): 5,0 cw(c5,5) 0,5 0,50 cw(c5,50) 5,55 70,55 cw(c70,50) 75,50 75,5 cw(c70,5) 70,0
GND on Bottom Layer "GND_L04_P006" (solid, pour order 6): 0,5 0,50 cw(c5,50) 5,55 70,55 cw(c70,50) 75,50 75,5 cw(c70,5) 70,0 5,0 cw(c5,5)

## Silkscreen, mask and mechanical layers (free items; w line width, h text height)
Top Overlay:
  drawing of 56 lines, arcs and shapes, not listed
  text "DCDC" at 68.102,42.7 h2
  text "COM" at 68.5,41 h2
  text "USB" at 68.802,39.3 h2
  text "CAN LEDs" at 0.8,28.7 h2
  text "Boot" at 8.302,27.6 h2
  text "select" at 8.202,26 h2
  text "Supply LEDs" at 54.102,16.954 h2
  text "STLink" at 69.8,14.298 h2 r270
  text "RST" at 7.802,13.2 h2
  text "STLink" at 30.901,7.4 h1.5
  text "1   +3.3V" at 31.301,6 h1.5
  text "2   CLK" at 31.301,5 h1.5
  text "3   GND" at 31.301,4 h1.5
  text "ETR Shield" at 47.402,4 h2.5
  text "4   DIO" at 31.3,3 h1.5
  text "User LEDs" at 11.302,2.5 h2
  text "v1.3" at 47.393,2.5 h2.5
  text "Shield II" at 50.472,2.5 h2.5
  text "5   NRST" at 31.301,2 h1.5
  text "6   SWO" at 31.301,1 h1.5
  text "Bernat Costa Cesari 2023" at 47.502,1 h2.5
Mechanical 1:
  the board outline again, w0.1

## Text inside footprints (layer, text, board x,y; h text height)
J2: Top Component Outline "PCB Edge" at 74.1,30.4 h0.41 r90
J3: Top Overlay "6" at 73.6,9 h1.02; Top Overlay "1" at 73.6,26 h1.02
J4: Bottom Overlay "1" at 17.6,15.48 h1.02 r270; Bottom Overlay "2" at 21.4,15.08 h1.02 r270; Bottom Overlay "27" at 17.6,34.22 h1.02 r270; Bottom Overlay "28" at 21.4,34.22 h1.02 r270
J5: Bottom Overlay "28" at 45.3,6.1 h1.02; Bottom Overlay "27" at 45.1,9.5 h1.02; Bottom Overlay "2" at 25.5,6 h1.02; Bottom Overlay "1" at 25.5,9.3 h1.02
J6: Bottom Overlay "1" at 52.4,34.52 h1.02 r90; Bottom Overlay "2" at 48.6,34.92 h1.02 r90; Bottom Overlay "27" at 52.4,15.78 h1.02 r90; Bottom Overlay "28" at 48.6,15.78 h1.02 r90
J7: Bottom Overlay "1" at 25.6,42.3 h1.02; Bottom Overlay "2" at 25.5,37.9 h1.02; Bottom Overlay "27" at 45,41.4 h1.02; Bottom Overlay "28" at 45,37.5 h1.02